# Altium PCB Valdis.PcbDoc (continued)
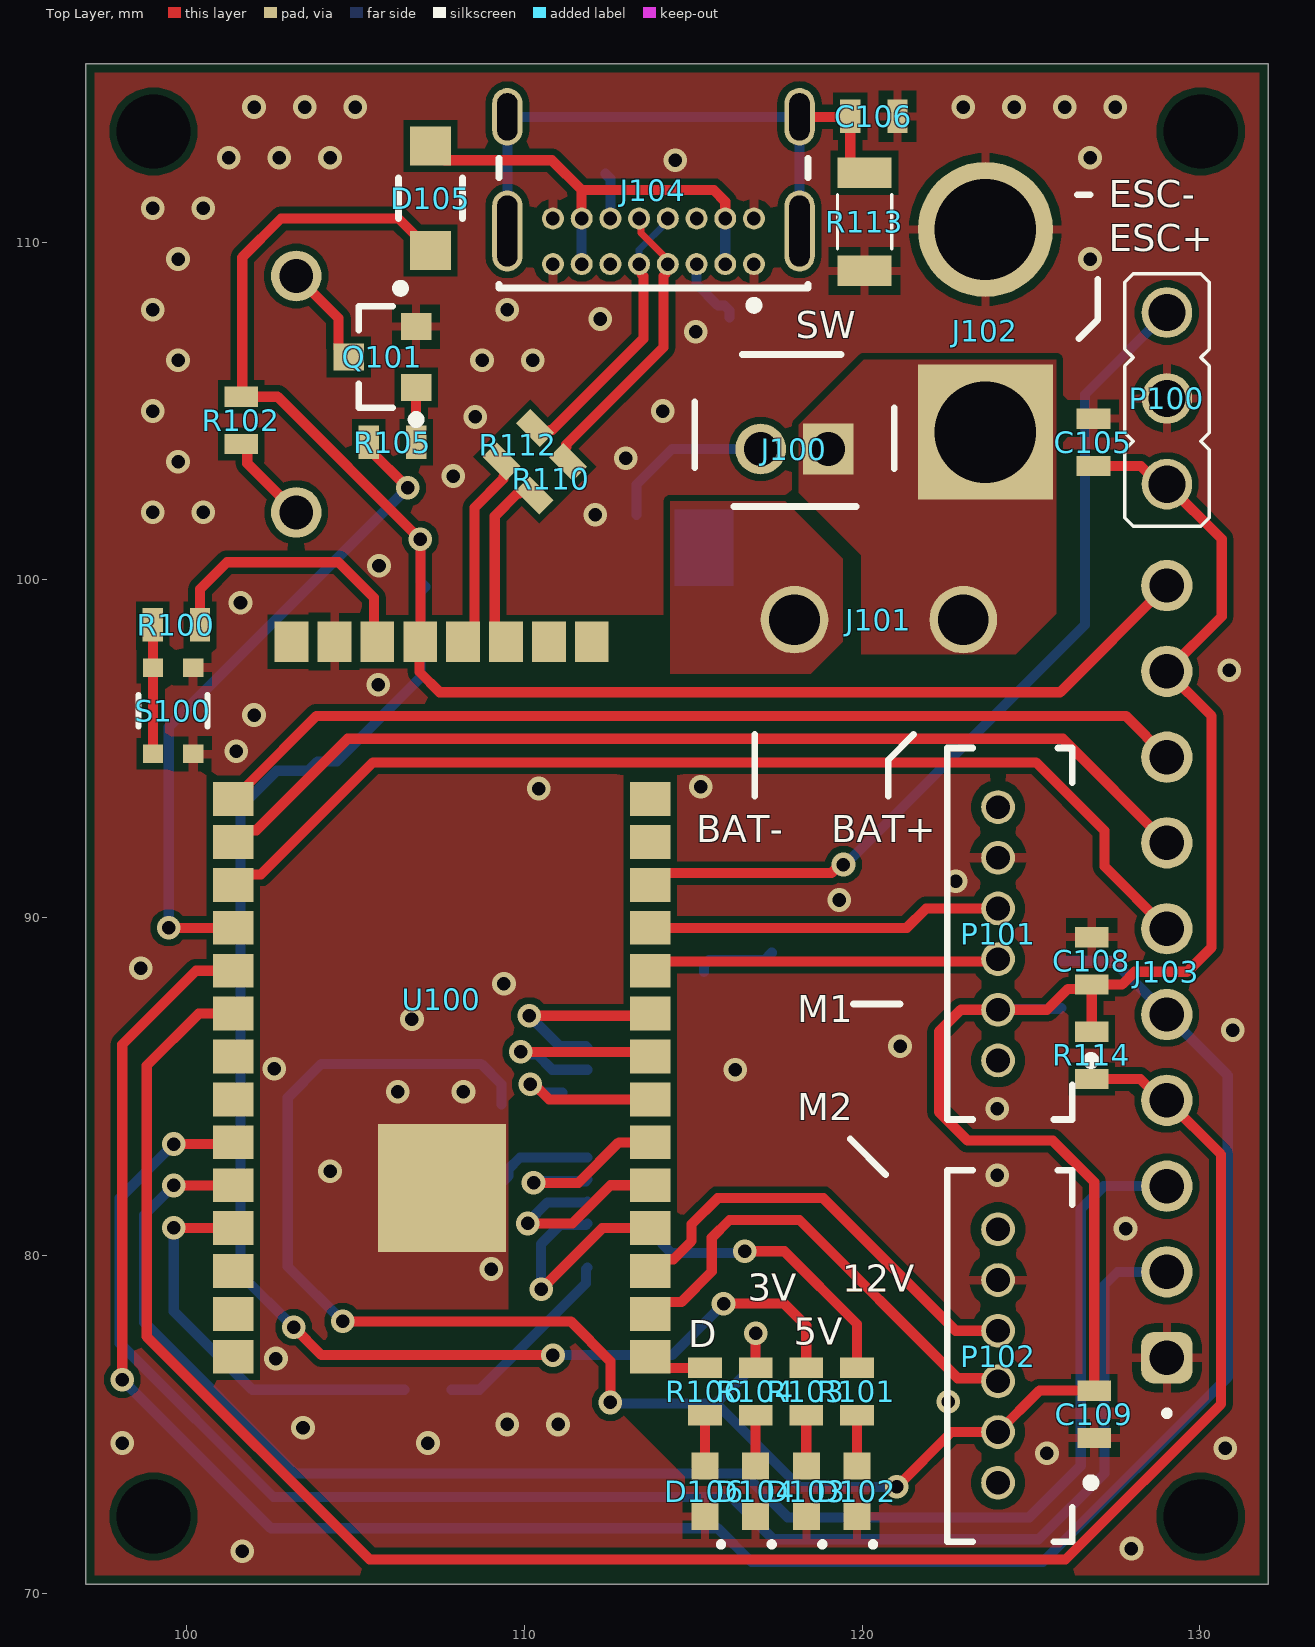
[diagram p0: Top Layer view]
## Components (designator, comment, footprint, x,y, rotation, side; value= is the part's Value field where it differs from the comment)
C100 "22u" MLCC_0603_M 108.75,94.7 r180 bottom value=22µF
C101 "22u" MLCC_0603_M 108.75,93.3 r180 bottom value=22µF
C102 "4.7u" MLCC_0805_M 107.925,99.8 r180 bottom value=4,7µF
C103 "100n" MLCC_0603_M 107.625,98.175 r180 bottom value=100nF
C104 "4.7u" MLCC_1206_M 112,92.1 r270 bottom value=4,7µF
C105 "100n" MLCC_0603_M 126.85,104.075 r90 top value=100nF
C106 "1n" MLCC_0603_M 120.35,113.725 r0 top value=1nF
C107 "100n" MLCC_0603_M 114.625,88.4 r0 bottom value=100nF
C108 "100n" MLCC_0603_M 126.8,88.725 r270 top value=100nF
C109 "100n" MLCC_0603_M 126.875,75.3 r90 top value=100nF
C110 "T495B106K025ATE750" 593D106X9025C2TE3-Footprint-1 117.325,90.525 r90 bottom value=10µF
C111 "100n" MLCC_0603_M 109.175,82.9 r270 bottom value=100nF
C112 "T495B106K025ATE750" 593D106X9025C2TE3-Footprint-1 107,81.44 r90 bottom value=10µF
D100 "MBR1020VL_R1_00001" FP-MBR1020VL_R1_00001-MFG 105.15,94.35 r0 bottom
D101 "VSSAF3M10HM3/H" VSSAF3M10HM3_H-Footprint-1 106.125,87.05 r0 bottom
D102 "Red" "0603 RED LED" 119.85,73.025 r270 top
D103 "Red" "0603 RED LED" 118.35,73.025 r270 top
D104 "Red" "0603 RED LED" 116.85,73.025 r270 top
D105 "MBR1020VL_R1_00001" FP-MBR1020VL_R1_00001-MFG 107.225,111.3 r90 top
D106 "Red" "0603 RED LED" 115.35,73.025 r270 top
J100 "B2B-PH-K-S(LF)(SN)" JST-B2B-PH-K-S_V 118,104.425 r180 top
J101 "XT30U-F" XT30U-F 120.5,98.825 r270 top
J102 "CUSTOM ESC" "CUSTOM ESC-Footprint-1" 123.65,107.375 r180 top
J103 "61301011121" 61301011121 129.025,88.155 r90 top
J104 "USB4085-GF-A" FP-USB4085-GF-A-MFG 113.825,113.375 r180 top
L100 "74404043220A" WE-LQS_4025 105.05,90.675 r90 bottom value=22µH
LS100 "Buzzer" Buzzer-Footprint-1 103.25,105.5 r180 bottom
P100 "M20-9990345" "3Pos Pin Header" 129.025,105.395 r90 top
P101 "B6B-ZR(LF)(SN)" FP-B6B-ZR-SM4-TF_LF_SN-MFG 124.025,89.525 r90 top
P102 "B6B-ZR(LF)(SN)" FP-B6B-ZR-SM4-TF_LF_SN-MFG 124.025,77.025 r90 top
Q100 "SIS427EDN-T1-GE3" "Copy of TPN2R304PL,L1Q-Footprint-1" 114.75,100.95 r90 bottom
Q101 "MMBT3904-TP" SOT-23-3 105.8,106.6 r180 top
R100 "100R" Resistor_0603_M 99.7,98.675 r0 top value=100
R101 "680R" Resistor_0603_M 119.85,75.975 r90 top value=680
R102 "22R" Resistor_0603_M 101.625,104.725 r270 top value=22
R103 "200R" Resistor_0603_M 118.35,75.975 r270 top value=200
R104 "100R" Resistor_0603_M 116.85,75.975 r270 top value=100
R105 "100R" Resistor_0603_M 106.1,104.075 r0 top value=100
R106 "200R" Resistor_0603_M 115.35,75.975 r270 top value=200
R107 "5.1k" Resistor_0603_M 116.777,107.777 r0 bottom value=5,1k
R108 "1k" Resistor_0603_M 107.15,76.025 r0 bottom
R109 "5.1k" Resistor_0603_M 111.7,112.025 r0 bottom value=5,1k
R110 "22R" Resistor_0603_M 110.8,103 r225 top value=22
R111 "200R" Resistor_0603_M 105.225,75.325 r90 bottom value=220
R112 "22R" Resistor_0603_M 109.825,104 r225 top value=22
R113 "1M" Resistor_1206_M 120.075,110.6 r270 top
R114 "4.7k" Resistor_0603_M 126.8,85.925 r90 top value=4,7k
R115 "4.7k" Resistor_0603_M 125.9,88.025 r270 bottom value=4,7k
S100 "USLPT2819DT4TR" USLPT2819DT4TR-Footprint-1 99.6,96.125 r270 top
U100 "NanoS3" NanoS3 108.19,94.365 r270 top
U101 "TB6612FNG,C,8,EL" FP-SSOP24-P-300-0_65A-MFG 115.275,83.225 r180 bottom
U102 "RAA2118054GP3#JA0" P5_064B_MFG 109.25,90.65 r270 bottom

## Footprints (in the part's own frame and the unit in brackets; to place one, negate y for a bottom-side part, rotate by r counter-clockwise, add the part's x,y. Pads: shape width x height; smd on the part's side, far side on the other; paste and mask are expansions set on the pad)
"3Pos Pin Header" [mm]
  round 1.5 hole 1.1: 1(-2.56,0) 2(-0.02,0) 3(2.52,0)
  silkscreen extent -3.81,-1.25 3.67,1.25, body extent -3.89,-1.24 3.73,1.25, height 8.57
593D106X9025C2TE3-Footprint-1 [mm]
  rect 2.2x2.35 smd: 1(-1.56,0) 2(1.56,0)
  silkscreen extent -1.64,1.61 -1.41,1.84, body extent -1.85,-1.5 1.85,1.5, height 2.1
"0603 RED LED" [mm] "Generic 0603 RED LED"
  rect 0.8x0.8 smd: 1(0.75,0) 2(-0.75,0)
  silkscreen extent 1.55,0.45 1.6,0.5, body extent -0.8,-0.4 0.8,0.4, height 0.4
61301011121 [mm] "2.54 MM SOCKET HEADER; 10 POS"
  rrect50% 1.52x1.52 hole 1.02: 1(-11.18,0)
  round 1.52 hole 1.02: 2(-8.64,0) 3(-6.1,0) 4(-3.56,0) 5(-1.02,0) 6(1.52,0) 7(4.06,0) 8(6.6,0) 9(9.14,0) 10(11.68,0)
  silkscreen extent -12.9,-0.07 -12.75,0.07, body extent -12.45,-1.27 12.95,1.27, height 8.54
Buzzer-Footprint-1 [mm]
  round 1.5 hole 1 unplated: 1(0,-3.5) 2(0,3.5)
  silkscreen extent -1.5,-5 1.5,-2, body extent -5.93,-5.99 6.06,6, height 9
"Copy of TPN2R304PL,L1Q-Footprint-1" [mm]
  rect 0.405x0.99 smd: 1(-0.975,-1.425) 2(-0.325,-1.425) 3(0.325,-1.425) 4(0.975,-1.425)
  rect 0.405x0.76 smd: 5(-0.975,1.545) 6(-0.325,1.545) 7(0.325,1.545) 8(0.975,1.545)
  Top Layer region: 1.125,-0.288 1.125,1.437 -1.125,1.437 -1.125,-0.288
  silkscreen extent -1.63,-1.38 -1.52,-1.27, body extent -1.65,-1.65 1.65,1.65, height 1.12
"CUSTOM ESC-Footprint-1" [mm]
  rect 4x4 hole 3 unplated: 1(0,3)
  round 4 hole 3 unplated: 2(0,-3)
FP-B6B-ZR-SM4-TF_LF_SN-MFG [mm]
  round 1 hole 0.7 paste-2539.97 mask+0: 1(-3.75,0) 2(-2.25,0) 3(-0.75,0) 4(0.75,0) 5(2.25,0) 6(3.75,0)
  silkscreen extent -5.5,-2.88 5.5,1.5, body extent -5.25,-2.1 5.25,1.4, height 4.5
FP-MBR1020VL_R1_00001-MFG [mm]
  rect 1.15x1.22 smd paste+0 mask+0: 1(-1.55,0) 2(1.55,0)
  silkscreen extent -3.02,-1 0.6,-0.75, body extent -1.8,-0.9 1.8,0.9, height 1.1
FP-SSOP24-P-300-0_65A-MFG [mm]
  rect 1.45x0.4 smd paste+0 mask+0: 1(-3.4,3.575) 2(-3.4,2.925) 3(-3.4,2.275) 4(-3.4,1.625) 5(-3.4,0.975) 6(-3.4,0.325) 7(-3.4,-0.325) 8(-3.4,-0.975) 9(-3.4,-1.625) 10(-3.4,-2.275) 11(-3.4,-2.925) 12(-3.4,-3.575) 13(3.4,-3.575) 14(3.4,-2.925) 15(3.4,-2.275) 16(3.4,-1.625) 17(3.4,-0.975) 18(3.4,-0.325) 19(3.4,0.325) 20(3.4,0.975) 21(3.4,1.625) 22(3.4,2.275) 23(3.4,2.925) 24(3.4,3.575)
  silkscreen extent -4.85,-4.15 2.3,4.15, body extent -3.8,-4.03 3.8,4.03, height 1.6
FP-USB4085-GF-A-MFG [mm]
  rrect100% 0.9x2.4 hole 2.1 slot 0.6 at 0 deg paste-2539.97 mask+0: 1(-4.325,3.045) 2(4.325,3.045)
  rrect100% 0.9x1.7 hole 1.4 slot 0.6 at 0 deg paste-2539.97 mask+0: 3(-4.325,-0.335) 4(4.325,-0.335)
  round 0.65 hole 0.4 paste-2539.97 mask+0: A1(-2.975,4.025) A4(-2.125,4.025) A5(-1.275,4.025) A6(-0.425,4.025) A7(0.425,4.025) A8(1.275,4.025) A9(2.125,4.025) A12(2.975,4.025) B1(2.975,2.675) B4(2.125,2.675) B5(1.275,2.675) B6(0.425,2.675) B7(-0.425,2.675) B8(-1.275,2.675) B9(-2.125,2.675) B12(-2.975,2.675)
  silkscreen extent -4.57,0.89 4.57,5.37, body extent -4.51,-4.6 4.51,4.57, height 3.46
JST-B2B-PH-K-S_V [mm] "Connector, 2-Leads, Body 5.9x4.5mm, Pitch 2mm"
  rect 1.5x1.5 hole 1: 1(-1,0.55)
  round 1.5 hole 1: 2(1,0.55)
  silkscreen extent -2.95,-2.25 2.95,2.25, body extent -2.95,-2.25 2.95,2.25, height 6
MLCC_0603_M [mm]
  rect 0.6x1 smd: 1(-0.7,0) 2(0.7,0)
  body extent -0.8,-0.4 0.8,0.4, height 0.92
MLCC_0805_M [mm] "Chip Capacitor, 2-Leads, Body 2,00x1,25mm, IPC Medium Density"
  rect 1.2x1.4 smd: 1(-0.85,0) 2(0.85,0)
  body extent -1.05,-0.67 1.05,0.67, height 1.35
MLCC_1206_M [mm]
  rect 1.15x1.8 smd: 1(-1.45,0) 2(1.45,0)
  silkscreen extent -0.55,-0.75 0.55,0.75, body extent -1.7,-0.9 1.7,0.9, height 0.75
NanoS3 [mm]
  rect 1.2x1 smd: 1(-3.81,-5.08) 2(-3.81,-3.81) 3(-3.81,-2.54) 4(-3.81,-1.27) 5(-3.81,0) 6(-3.81,1.27) 7(-3.81,2.54) 8(-3.81,3.81)
  rect 1x1.2 smd: 9(0.854,5.535) 10(2.124,5.535) 11(3.394,5.535) 12(4.664,5.535) 13(5.934,5.535) 14(7.204,5.535) 15(8.474,5.535) 16(9.744,5.535) 17(11.014,5.535) 18(12.284,5.535) 19(13.554,5.535) 20(14.824,5.535) 21(16.094,5.535) 22(17.364,5.535) 23(0.854,-6.805) 24(2.124,-6.805) 25(3.394,-6.805) 26(4.664,-6.805) 27(5.934,-6.805) 28(7.204,-6.805) 29(8.474,-6.805) 30(9.744,-6.805) 31(11.014,-6.805) 32(12.284,-6.805) 33(13.554,-6.805) 34(14.824,-6.805) 35(16.094,-6.805) 36(17.364,-6.805)
  rect 3.8x3.8 smd: 37(12.364,-0.625)
  body extent -3.97,-7.15 24.12,5.85, height 2.38
P5_064B_MFG [mm] "Recommended Land Pattern"
  rect 1.2x0.6 smd paste+0 mask+0: 1(-1.2,0.95) 2(-1.2,0) 3(-1.2,-0.95) 4(1.2,-0.95) 5(1.2,0.95)
  silkscreen extent -1.74,-1.58 0.92,1.64, body extent -1.4,-1.45 1.4,1.45, height 1.1
Resistor_0603_M [mm]
  rect 0.6x1 smd: 1(-0.7,0) 2(0.7,0)
  body extent -0.8,-0.4 0.8,0.4, height 0.45
Resistor_1206_M [mm]
  rect 0.9x1.6 smd: 1(-1.45,0) 2(1.45,0)
  silkscreen extent -0.8,-0.8 0.8,0.8, body extent -1.6,-0.83 1.6,0.83, height 0.56
SOT-23-3 [mm] "Based on DMG2305UX-13"
  rect 0.9x0.8 smd: 1(-1,0.9) 2(-1,-0.9) 3(1,0)
  silkscreen extent -1.13,-1.5 0.7,1.97, body extent -1.25,-1.5 1.25,1.5, height 1.1
USLPT2819DT4TR-Footprint-1 [mm]
  rect 0.55x0.6 smd: 1(-1.275,0.6) 2(1.275,0.6) 3(-1.275,-0.59) 4(1.275,-0.59)
  silkscreen extent -0.46,-1.02 0.46,1.03, body extent -1.5,-0.94 1.5,0.96, height 0.53
VSSAF3M10HM3_H-Footprint-1 [mm]
  rect 1.2x1.52 smd: 1(-2.16,0) 2(2.16,0)
  silkscreen extent -2.29,1.43 0.58,1.76, body extent -2.59,-1.29 2.61,1.31, height 1
WE-LQS_4025 [mm] "SMD Power Inductor, 2-Leads, body 4x4mm"
  rect 1.5x4.4 smd: 1(-1.525,0) 2(1.525,0)
  silkscreen extent -0.4,-2.1 0.4,2.1, body extent -2,-2 2,2, height 2.15
XT30U-F [mm]
  round 2 hole 1.5: 1(0,2.5) 2(0,-2.5)
  body extent -2.8,-5.44 2.82,5.43, height 9.67

## Part data
C100 C101: library part CMP-001-1264-1, "MLCC, 0603, 22u, 10%, 16V, X5R", Capacitor Type=Ceramic, Case/Package=0603, Dielectric=X5R, Manufacturer=Any, Tolerance=10%, Voltage=16V, Mount=SMD, Part number="MLCC, 0603, 22u, 10%, 16V, X5R", RoHS=Yes
C102: library part CMP-001-0828-2, "MLCC, 0805, 4.7u, 10%, 50V, X5R", Capacitor Type=Ceramic, Case/Package=0805, Dielectric=X5R, Manufacturer=Any, Tolerance=10%, Voltage=50V, Mount=SMD, Part number="MLCC, 0805, 4.7u, 10%, 50V, X5R", RoHS=Yes
C103 C108 C109: library part CMP-001-0755-1, "MLCC, 0603, 100n, 10%, 35V, X7R", Capacitor Type=Ceramic, Case/Package=0603, Dielectric=X7R, Manufacturer=Any, Tolerance=10%, Voltage=35V, Mount=SMD, Part number="MLCC, 0603, 100n, 10%, 35V, X7R", RoHS=Yes
C104: library part CMP-001-1124-2, "MLCC, 1206, 4.7u, 10%, 35V, X5R", Capacitor Type=Ceramic, Case/Package=1206, Dielectric=X5R, Manufacturer=Any, Tolerance=10%, Voltage=35V, Mount=SMD, Part number="MLCC, 1206, 4.7u, 10%, 35V, X5R", RoHS=Yes
C105 C107 C111: library part CMP-001-0815-1, "MLCC, 0603, 100n, 10%, 50V, X7R", Capacitor Type=Ceramic, Case/Package=0603, Dielectric=X7R, Manufacturer=Any, Tolerance=10%, Voltage=50V, Mount=SMD, Part number="MLCC, 0603, 100n, 10%, 50V, X7R", RoHS=Yes
C106: library part CMP-001-0786-1, "MLCC, 0603, 1n, 10%, 50V, X7R", Capacitor Type=Ceramic, Case/Package=0603, Dielectric=X7R, Manufacturer=Any, Tolerance=10%, Voltage=50V, Mount=SMD, Part number="MLCC, 0603, 1n, 10%, 50V, X7R", RoHS=Yes
C110 C112: library part CMP-0001-00298-2, "10UF Solid MNO2 Tantalum Electrolytic Capacitor, 25 V DC +/-10%, T495 Series", Capacitor Type=Tantalum, Case Code (Imperial)=1411, Case Code (Metric)=3528, Case/Package=B, ESR (Equivalent Series Resistance)=750mΩ, Leakage Current=2.5µA, Manufacturer=Any, Max Operating Temperature=125°C, Min Operating Temperature=-55°C, Ripple Current=54mA, Tolerance=10%, Voltage=25V, China RoHS=Compliant, Dielectric=Tantalum, Dielectric Material=Tantalum, Export Control Classification Number (ECCN) Code=EAR99, Harmonized Tariff Schedule (HTS) Code=8532.21.00.50, Height=1.9mm, Introduction Date=2007-02-01, Length=3.5mm, Lifecycle Status=Production, Mount=SMD, Mounting Technology="Surface Mount", Number of Terminals=2, Packaging="Cut Tape", Part number=T495B106K025ATE750, Pins=2, REACH SVHC=Yes, RoHS=Compliant, Termination=SMD/SMT, Voltage Rating=25V, Voltage Rating (DC)=25V, Width=2.8mm
D100 D105: library part CMP-ROOT-01310-1, "Rectifier Diode, Schottky, 1 Phase, 1 Element, 1A, 20V V(RRM), Silicon", Case/Package=SOD-123FL, Forward Current=1A, Manufacturer=Panjit, Max Forward Surge Current (Ifsm)=45A, Max Junction Temperature (Tj)=125°C, Max Repetitive Reverse Voltage (Vrrm)=20V, Min Operating Temperature=-55°C, Peak Reverse Current=600µA, Height=1.1mm, Lifecycle Status=Production, Max Operating Temperature=125°C, Max Output Current=1A, Mount=SMD, Number of Elements=1, Number of Terminals=2, Part number=MBR1020VL_R1_00001, Pins=2, REACH SVHC=No, Reverse Standoff Voltage=20V, RoHS=Compliant
D101: library part CMP-ROOT-01308-1, "Rectifier Diode, Schottky, 1 Phase, 1 Element, 2.3A, 100V V(RRM), Silicon, DO-221AC", Case/Package=DO-221AC-2, Forward Voltage=720mV, Max Forward Surge Current (Ifsm)=80A, Max Operating Temperature=175°C, Max Output Current=2.3A, Min Operating Temperature=-40°C, Peak Reverse Current=200µA, Reverse Standoff Voltage=100V, Lifecycle Status=Production, Manufacturer=VSSAF3M10HM3/H, Mount=SMD, Number of Elements=1, Number of Terminals=2, Part number=VSSAF3M10HM3/H, Pins=2, REACH SVHC=No, RoHS=Compliant
D102 D103 D104 D106: library part CMP-ROOT-00025-2, "Generic red 0603 LED", Case/Package=0603, Manufacturer=Any, Part number="Any Red 0603 LED", Color=Red, Mount=SMD, RoHS=Yes
J100: library part CMP-ROOT-01319-1, "Connector Header, PH Series, 2 Position, 2.00mm, Through Hole, Press-Fit, Solder, Natural", Contact Resistance=20mΩ, Current Rating=2A, Housing Color=Natural, Insulation Resistance=1GΩ, Manufacturer="JST Sales America Inc.", Max Operating Temperature=85°C, Max Voltage Rating (AC)=100V, Min Operating Temperature=-25°C, Part number=B2B-PH-K-S, China RoHS=Compliant, Connector Type="Male Pin", Contact Gender=Male, Contact Material=Brass, Contact Mating Length=3.302mm, Contact Plating=Tin, Depth=4.5mm, Fastening Type=Detent, Gender=Female, Height=6mm, Housing Material=Nylon, Lead Free="Lead Free", Lead Pitch=2mm, Length=5.9mm, Lifecycle Status=Production, Max Current Rating=2A, Max Voltage Rating (DC)=100V, Mount=TH, Mounting Technology="Through Hole", Number of Contacts=2, Number of Poles=2, Number of Positions=2, Number of Rows=1, Orientation=Straight, Packaging=Bulk, Pins=2, Pitch=2mm, REACH SVHC=Yes, RoHS=Compliant, Schedule B=8536694040, Terminal Pitch=2mm, Termination=Solder, Voltage Rating=100V, Voltage Rating (AC)=100V, Voltage Rating (DC)=100V, Weight=28.349523g, Width=4.5mm, Working Voltage=100V
J101: library part CMP-ROOT-01262-2, "Power Connector", Case/Package=Non-standard, Color=Yellow, Manufacturer=AMASS, Contact Material=Brass, Mount=SMD, Orientation=Straight, Part number=XT30U-F, Pins=2, RoHS=Yes
J102: library part CMP-ROOT-01320-2, "Custom ESC pinout", Manufacturer=None, Mount=SMD, Part number=None, Pins=2, RoHS=Yes
J103: library part CMP-ROOT-01212-1, "THT Vertical Pin Header WR-PHD, Pitch 2.54 mm, Single Row, 10 pins", Color=Black, Contact Resistance=20mR, Current Rating=3A, Flammability Rating="UL94 V-0", Insulation Resistance=1GR, Manufacturer="Würth Elektronik", Max Operating Temperature=105°C, Min Operating Temperature=-40°C, Operating Supply Voltage=250V, Connector Type=Header, Contact Finish - Mating=GOLD, Contact Gender=Male, Contact Material="Copper Alloy,Copper", Contact Plating=Gold, Contact Shape=Square, Contact Type="Male Pin", Fastening Type=Pull, Height=11.54mm, Housing Material=PBT, Insulation Color=Black, Insulation Material=Nylon, Length=2.54mm, Mount=TH, Mounting Technology="Through Hole", Number of Contacts=10, Number of Positions=10, Number of Rows=1, Orientation=Straight, Packaging=Bulk, Part number=61301011121, Pitch=2.54mm, Reach SVHC Compliant=Unknown, RoHS=Yes, RoHS Compliant=Yes, Series=WR-PHD, Termination=Solder, Voltage Rating=250V, Width=25.4mm
J104: library part CMP-001-1800-1, "USB Connector, 16 Contact(s), Female, Right Angle, Solder Terminal, Locking, Receptacle", Current Rating=4.25A, Flammability Rating="UL94 V-0", Insulation Color=Black, Manufacturer=GCT, Max Operating Temperature=85°C, Min Operating Temperature=-40°C, Part number=USB4800-03-A, Voltage Rating=20V, Connector Type=USB, Contact Material="Copper Alloy", Contact Plating=Gold, Gender=Receptacle, Height=3.66mm, Mating Cycles=10000, Mount=TH, Mounting Technology="Through Hole,Horizontal", Number of Contacts=16, Number of Ports=1, Number of Positions=16, Orientation="Right Angle", Packaging="Tape and Reel", Pins=16, RoHS=Yes, Series=USB4085, Shielding=Shielded, Standoff Height=3.5mm, Termination=Solder, USB PD=3.2, USB Standard="USB 2.0"
L100: library part CMP-ROOT-01309-1, "General Purpose Inductor, 22uH, 20%, 1 Element, Nickel-zinc Ferrite-Core, SMD, 1616", Ambient Temperature Range High=85°C, Ambient Temperature Range Low=-40°C, Case/Package="4mm x 4mm", Current Rating=1.11A, DC Resistance (DCR)=200mΩ, Inductance Tolerance=20%, Manufacturer="Wurth Elektronik", Max Operating Temperature=125°C, Height=2.5mm, Length=4mm, Min Operating Temperature=-40°C, Mount=SMD, Part number=74404043220A, Pins=2, RoHS=Compliant, Width=4mm
LS100: library part CMP-ROOT-01315-2, "7mm", Case/Package=Nonstandard, Manufacturer=Unknown, Mount=TH, Part number=Unknown, Pins=2, RoHS=Yes
P100: library part CMP-ROOT-00217-1, "Connector Header Through Hole 3 position 0.100\" (2.54mm)", Case/Package=SIL, Color=Black, Contact Resistance=25mR, Current Rating=3A, Insulation Resistance=10GR, Manufacturer="Harwin Inc.", Max Operating Temperature=105°C, Min Operating Temperature=-40°C, Package Quantity=1000, Voltage Rating (AC)=750V, Connector Type="Male Pin", Contact Material=Brass,Bronze, Contact Mating Length=0.24inch, Contact Plating=Gold, Depth=2.54mm, Height=0.125inch, Housing Color=Black, Housing Material=Nylon, Length=7.62mm, Max Current Rating=3A, Mount="Through Hole", Number of Contacts=3, Number of Positions=3, Number of Rows=1, Orientation=Straight, Packaging=Bulk, Part number=M20-9990345, Pins=3, Pitch=2.54mm, Radiation Hardening=No, REACH SVHC="No SVHC", RoHS=Yes, Termination=Solder, Weight=0.006138oz, Width=0.25inch
P101 P102: library part CMP-ROOT-01270-3, "Header for PCB; pitch 1.50mm; 6-contacts; THT; male; top entry; 50V/1A", Color="Natural, White", Contact Resistance=30mΩ, Current Rating=1A, Flammability Rating="UL94 V-0", Insulation Resistance=500MΩ, Manufacturer="JST Sales America Inc.", Max Operating Temperature=85°C, Max Voltage Rating (AC)=50V, Min Operating Temperature=-25°C, Part number=B6B-ZR, Body Plating=Tin, China RoHS=Compliant, Connector Type="Male Pin", Contact Gender=Male, Contact Material="Copper, Tin", Contact Mating Length=2.3876mm, Contact Plating=Tin, Depth=3.5mm, Fastening Type=Detent, Gender=Male, Height=4.5mm, Housing Material=Polyamide, Lead Free="Lead Free", Lead Pitch=1.5mm, Length=3.048mm, Lifecycle Status=Production, Material=Nylon, Max Current Rating=1A, Mount=TH, Mounting Technology="Through Hole", Number of Contacts=6, Number of Positions=6, Number of Rows=1, Orientation=Straight, Packaging=Bulk, Panel Thickness=3.5mm, Pins=6, Pitch=1.5mm, REACH SVHC=Yes, RoHS=Compliant, Terminal Pitch=1.5mm, Termination=Solder, Voltage Rating=50V, Voltage Rating (AC)=50V, Voltage Rating (DC)=50V, Weight=28.349523g, Width=5.08mm
Q100: library part CMP-ROOT-01317-1, "Trans MOSFET P-CH 30V 15A 8-Pin PowerPAK EP T/R", Case/Package="PowerPAK® 1212-8", Continuous Drain Current (ID)=50A, Drain to Source Breakdown Voltage=-30V, Drain to Source Resistance=10.6mΩ, Drain to Source Voltage (Vdss)=30V, Gate to Source Voltage (Vgs)=25V, Input Capacitance=1.93nF, Manufacturer="Vishay Siliconix", Max Operating Temperature=150°C, Max Power Dissipation=52W, Min Operating Temperature=-55°C, Element Configuration=Single, Export Control Classification Number (ECCN) Code=EAR99, Fall Time=12ns, Introduction Date=2013-06-25, Lifecycle Status=Production, Min Breakdown Voltage=30V, Mount=SMD, Mounting Technology="Surface Mount", Number of Channels=1, Number of Elements=1, Number of Terminals=5, Part number=SIS427EDN-T1-GE3, Pins=8, Radiation Hardening=No, Rds On Max=10.6mΩ, REACH SVHC=Unknown, Rise Time=40ns, RoHS=Compliant, Schedule B=8541290080, Turn-Off Delay Time=28ns, Turn-On Delay Time=45ns
Q101: library part CMP-ROOT-00274-1, "TRANS NPN 40V 0.2A SOT23", Case/Package=SOT-23, Collector Base Voltage (VCBO)=60V, Collector Emitter Breakdown Voltage=40V, Collector Emitter Saturation Voltage=300mV, Current Rating=100mA, Emitter Base Voltage (VEBO)=6V, Frequency=300MHz, Manufacturer="Micro Commercial Co", Max Collector Current=200mA, Max Operating Temperature=150°C, Max Power Dissipation=350mW, Min Operating Temperature=-55°C, Package Quantity=1, Collector Emitter Voltage (VCEO)=40V, Element Configuration=Single, Gain Bandwidth Product=300MHz, Height=1.12mm, hFE Min=40, Lead Free="Lead Free", Length=3.04mm, Max Breakdown Voltage=40V, Max Frequency=300MHz, Mount="Surface Mount", Number of Elements=1, Number of Pins=3, Packaging="Tape and Reel", Part number=MMBT3904-TP, Polarity=NPN, Power Dissipation=350mW, Radiation Hardening=No, RoHS=Yes, Transition Frequency=300MHz, Voltage Rating (DC)=40V, Width=1.4mm
R100 R105: library part CMP-001-0054-5, "Resistor, 0603, 100R, 1%, 1/10W", Case/Package=0603, Manufacturer=Any, Power=100mW, Tolerance=1%, Mount=SMD, Part number="Resistor, 0603, 100R, 1%, 1/10W", RoHS=Yes
R101: library part CMP-001-0074-3, "Resistor, 0603, 680R, 1%, 1/10W", Case/Package=0603, Manufacturer=Any, Power=100mW, Tolerance=1%, Mount=SMD, Part number="Resistor, 0603, 680R, 1%, 1/10W", RoHS=Yes
R102 R110 R112: library part CMP-001-0038-3, "Resistor, 0603, 22R, 1%, 1/10W", Case/Package=0603, Manufacturer=Any, Power=100mW, Tolerance=1%, Mount=SMD, Part number="Resistor, 0603, 22R, 1%, 1/10W", RoHS=Yes
R103 R106: library part CMP-001-0060-2, "Resistor, 0603, 200R, 1%, 1/10W", Case/Package=0603, Manufacturer=Any, Power=100mW, Tolerance=1%, Mount=SMD, Part number="Resistor, 0603, 200R, 1%, 1/10W", RoHS=Yes
R104: library part CMP-0001-00262-1, "Resistor, 0603, 100R, ≤5%, ≥1/16W", Case/Package=0603, Manufacturer=Any, Mount=SMD, Part number="Resistor, 0603, 100R, ≤5%, ≥1/16W", RoHS=Yes
R107 R109: library part CMP-001-0094-2, "Resistor, 0603, 5.1k, 1%, 1/10W", Case/Package=0603, Manufacturer=Any, Power=100mW, Tolerance=1%, Mount=SMD, Part number="Resistor, 0603, 5.1k, 1%, 1/10W", RoHS=Yes
R108: library part CMP-0001-00237-1, "Resistor, 0603, 1k, 0.1%, 1/16W", Case/Package=0603, Manufacturer=Any, Mount=SMD, Part number=Any, RoHS=Yes
R111: library part CMP-001-0061-2, "Resistor, 0603, 220R, 1%, 1/10W", Case/Package=0603, Manufacturer=Any, Power=100mW, Tolerance=1%, Mount=SMD, Part number="Resistor, 0603, 220R, 1%, 1/10W", RoHS=Yes
R113: library part CMP-0001-00051-1, "Resistor, 1206, 1M, 1%, 1/4W", Case/Package=1206, Manufacturer=Any, Mount=SMD, Part number=Any, RoHS=Yes
R114 R115: library part CMP-001-0093-2, "Resistor, 0603, 4.7k, 1%, 1/10W", Case/Package=0603, Manufacturer=Any, Power=100mW, Tolerance=1%, Mount=SMD, Part number="Resistor, 0603, 4.7k, 1%, 1/10W", RoHS=Yes
S100: library part CMP-ROOT-01290-3, "Keypad Switch, SPST, 0.05A, 1.96N, Solder Terminal, Panel Mount", Case/Package=Non-standard, Color=Black, Contact Current Rating=50mA, Manufacturer="TE Connectivity ALCOSWITCH Switches", Max Operating Temperature=85°C, Min Operating Temperature=-40°C, Operating Force=1.96N, China RoHS=Compliant, Contact Material="Stainless Steel", Contact Plating=Silver, Housing Material=Polyethylene, Lifecycle Status=Production, Max Current Rating=50mA, Mount=SMD, Packaging="Tape & Reel", Part number=USLPT2819DT4TR, REACH SVHC=Yes, RoHS=Compliant, Throw Configuration=SPST
U100: library part CMP-00023-1, "Unexpected Maker's NanoS3 DevKit", Case/Package=DevKit, Manufacturer="Unexpected Maker", Mount=SMD, Part number=NanoS3, RoHS=Yes
U101: library part CMP-00025-1, "DC Motor Driver 2.7V to 5.5V 24-Pin SSOP Embossed T/R", Case/Package=LSSOP, Manufacturer=Toshiba, Manufacturer Package Identifier=SSOP24-P-300-0.65A, Max Operating Temperature=85°C, Max Output Current=1A, Max Power Dissipation=1.36W, Max Supply Current=2.2mA, Max Supply Voltage=5.5V, Min Operating Temperature=-20°C, Min Supply Voltage=2.7V, Operating Supply Voltage=3V, Output Voltage=15V, Part number=TBG6612FNG, Switching Frequency=100kHz, Export Control Classification Number (ECCN) Code=EAR99, Harmonized Tariff Schedule (HTS) Code=8542.39.00.60, Height=1.6mm, Height - Seated (Max)=1.6mm, Interface=Parallel, Introduction Date=2014-12-16, Length=7.8mm, Lifecycle Status=Production, Logic Function=AND, Motor Type=Brushed, Mount=SMD, Mounting Technology="Surface Mount", Number of Channels=2, Number of Circuits=2, Number of Outputs=2, Number of Terminals=24, Output Current=1A, Packaging="Cut Tape (CT)", Pins=24, REACH SVHC=Yes, RoHS=Compliant, Schedule B="8542390000, 8542390000", Terminal Pitch=650µm, Width=5.6mm
U102: library part CMP-00019-3, "Switching Regulator, Current-mode, 0.3A, 230kHz Switching Freq-Max, PDSO5", Case/Package=TSOT, Manufacturer="Renesas / Intersil", Manufacturer Lifecycle Status=ACTIVE, Max Junction Temperature (Tj)=125°C, Max Output Current=300mA, Max Output Voltage=5.15V, Max Supply Voltage=80V, Max Switching Frequency=230kHz, Min Input Voltage=7V, Min Operating Temperature=-40°C, Min Output Voltage=3.18V, Nominal Output Voltage=5V, Nominal Supply Voltage=18V, Package Quantity=3000, Export Control Classification Number (ECCN) Code=EAR99, Harmonized Tariff Schedule (HTS) Code=8540000000, Height=850µm, Height - Seated (Max)=1.1mm, Length=2.9mm, Lifecycle Status=Production, Max Operating Temperature=125°C, Mount=SMD, Mounting Technology="Surface Mount", MSL=3, Number of Circuits=1, Number of Terminals=5, Part Family=RAA211805, Part number=RAA2118054GP3#JA0, Pins=5, Pitch=1mm, REACH SVHC=Yes, RoHS=Compliant, Terminal Pitch=950µm, Topology=Buck, Width=1.6mm

## Free pads (board coordinates)
  rect 0x0 hole 2.2 unplated: 0(130.025,113.275) 1(99.025,72.275) 2(130.025,72.275) 3(99.025,113.275)

## Via types
v1: diameter 0.7, hole 0.4, Top Layer to Bottom Layer, 89 vias

## Nets (pads, with @x,y where several pads share a name; then routed paths per layer and width w, separated by ;. In a path a pad name is that pad's centre, name@x,y a point inside that pad or via, vN(x,y) a via of type N, cw(c..) or ccw(c..) an arc to the next point about the centre after c; other vN are vias at no path point)
+3V3: C105.1 C108.2 C109.2 C111.1 C112.2 J103.9 P100.1 P101.2 P102.2 R104.1 R114.2 R115.2 U101.19 U101.20 | length 89.1
  Top Layer w0.3: v1(104.625,78.05) 111.375,78.05 112.55,76.875 v1(112.55,75.65) ; R104.1 v1(116.85,77.7) ; v1(121.025,73.15) 122.65,74.775 P102.2 125.25,76 C109.2 126.875,82.175 125.65,83.4 123.125,83.4 122.275,84.25 122.275,86.625 122.925,87.275 P101.2 125.475,87.275 126.094,87.894 126.669,87.894 C108.2 ; R114.2 C108.2 ; C105.1 128.249,103.375 128.789,102.835 P100.1 130.65,101.21 130.65,98.92 J103.9 130.35,95.97 130.35,89.125 129.625,88.4 128.075,88.4 127.7,88.025 C108.2
  Bottom Layer w0.3: v1(104.625,78.05) 103,79.675 103,84.675 104,85.675 108.725,85.675 109.325,85.075 109.325,84.475 ; v1(112.55,75.65) 112.575,75.625 115.675,75.625 ; v1(116.85,77.7) 116.85,76.8 115.675,75.625 ; v1(121.025,73.15) 118.15,73.15 115.675,75.625 ; P101.2 124.05,87.3 125.875,87.3 R115.2
+5V: C102.2 C103.2 D100.1 D105.1 J103.10 R102.1 R103.1 U100.4 | length 90.2
  Top Layer w0.3: v1(103.175,77.875) 104,77.05 v1(110.85,77.05) ; U100.4@106.9,98.25 106.9,97.275 107.5,96.675 125.865,96.675 J103.10 ; U100.4 106.925,98.18 v1(106.925,101.2) 102.7,105.425 R102.1 101.65,105.45 101.65,109.55 102.8,110.7 106.275,110.7 106.765,110.21 106.765,110.175 107.19,109.75 D105.1 ; v1(115.9,78.575) 117.7,78.575 118.35,77.925 R103.1
  Bottom Layer w0.3: v1(103.175,77.875) 101.6,79.45 101.6,93.275 102.675,94.35 D100.1 103.874,94.624 104.449,94.624 106.925,97.1 C103.2@106.925,98.145 ; C103.2 106.925,99.65 C102.2 106.925,99.95 v1(106.925,101.2) ; v1(110.85,77.05) 114.375,77.05 v1(115.9,78.575)
+12V: C104.2 C107.1 C110.2 J100.1 J101.1 J102.1 R101.2 R108.2 U101.13 U101.14 U101.24 U102.3 U102.4 | length 13.8
  Top Layer w0.3: v1(116.525,80.125) 117.7,80.125 119.85,77.975 R101.2
  Bottom Layer w0.3: R108.2 108.675,76.025 111.826,79.176 111.826,79.601 U101.13 ; 114.1,80.325 114.346,80.079 116.479,80.079 v1(116.525,80.125)
AIN_1: U100.16 U101.21 | length 4.8
  Top Layer w0.3: v1(110.175,85.075) 110.283,85.075 110.737,84.621 U100.16
  Bottom Layer w0.3: v1(110.175,85.075) 110.283,85.075 110.533,84.825 111.125,84.825
AIN_2: U100.15 U101.22 | length 6.1
  Top Layer w0.3: v1(109.892,86.03) 113.586,86.03 U100.15
  Bottom Layer w0.3: v1(109.892,86.03) 109.969,85.954 110.252,85.954 110.255,85.95 110.375,85.95 110.825,85.5 U101.22
BAT_VOL: R108.1 R111.2 U100.33 | length 12
  Top Layer w0.3: v1@99.639,80.811 U100.33
  Bottom Layer w0.3: v1(99.625,80.825) 99.625,78.35 101.95,76.025 R111.2 R108.1
BIN_1: U100.17 U101.17 | length 5.6
  Top Layer w0.3: v1(110.275,82.15) 111.6,82.15 112.801,83.351 U100.17
  Bottom Layer w0.3: v1(110.275,82.15) 110.325,82.2 111.825,82.2 U101.17
BIN_2: U100.18 U101.16 | length 6.2
  Top Layer w0.3: v1(110.1,80.95) 111.425,80.95 112.556,82.081 U100.18
  Bottom Layer w0.3: v1(110.1,80.95) 110.1,80.989 110.686,81.575 111.85,81.575 U101.16
BUZZER: R105.1 U100.26 | length 19.7
  Top Layer w0.3: v1(99.475,89.7) U100.26 U100.26 ; R105.1 105.4,103.875 v1(106.55,102.725)
  Bottom Layer w0.3: v1(99.475,89.7) 99.475,95.65 v1(106.55,102.725)
D_N: J104.A7 J104.B7 R112.1 | length 8.4
  Top Layer w0.3: R112.1 110.461,104.354 110.674,104.354 110.764,104.444 110.832,104.444 113.525,107.137 113.525,108.999 113.467,109.057 113.467,109.283 J104.A7
  Bottom Layer w0.2: J104.A7 113.4,109.775 114.25,110.625 J104.B7
D_P: J104.A6 J104.B6 R110.1 | length 8.9
  Top Layer w0.2: J104.B6 113.454,110.646 113.454,110.271 114.164,109.561 114.164,109.436 J104.A6
  Top Layer w0.3: R110.1 111.154,103.636 111.154,103.849 111.244,103.939 111.244,104.007 114.125,106.888 114.125,108.999 114.183,109.057 114.183,109.283 J104.A6
DBG_LED: R106.1 U100.22 | length 1.8
  Top Layer w0.3: U100.22 114.051,76.675 R106.1
ESC_PWM: P100.3 U100.11 | length 26.3
  Top Layer w0.3: U100.11 114.075,91.321 119.088,91.321 119.342,91.575 v1(119.45,91.575)
  Bottom Layer w0.3: v1(119.45,91.575) 119.5,91.575 126.6,98.675 126.6,105.49 P100.3
GND: C100.1 C101.1 C102.1 C103.1 C104.1 C105.2 C106.2 C107.2 C108.1 C109.1 C110.1 C111.2 C112.1 D101.2 D102.1 D103.1 D104.1 D106.1 J102.2 J103.1 J104.A1 J104.A12 J104.B1 J104.B12 P100.2 P101.5 P102.5 Q100.1 Q100.2 Q100.3 Q101.2 R107.2 R109.1 R111.1 R113.2 S100.1 S100.2 U100.2 U100.37 U101.3 U101.4 U101.9 U101.10 U101.18 U102.2 | length 5.5
  Bottom Layer w0.3: C111.2 109.375,82.2 109.525,82.35 109.525,82.55 109.875,82.9 U101.18 ; C107.2 115.325,88.6 115.475,88.75 117.11,88.75 C110.1
  other v1: 101.65,71.25 127.975,71.325 125.475,74.15 130.75,74.3 98.1,74.45 107.15,74.45 103.45,74.9 109.5,75 111,75 122.55,75.675 102.65,76.95 109.025,79.6 127.8,80.8 124,82.375 104.25,82.5 124,84.35 106.25,84.85 108.2,84.85 116.25,85.5 102.6,85.525 121.125,86.2 130.975,86.675 106.675,87 109.4,88.05 98.65,88.5 119.325,90.525 122.775,91.075 110.425,93.825 115.225,93.875 101.475,94.925 102,96 105.675,96.9 130.875,97.325 101.6,99.325 105.7,100.425 112.1,101.925 99,102 100.5,102 107.9,103.075 99.75,103.5 113,103.6 108.55,104.825 99,105 114.1,105 99.75,106.5 108.75,106.5 110.25,106.5 115.075,107.35 112.25,107.725 99,108 109.5,108 99.75,109.5 126.75,109.5 99,111 100.5,111 114.475,112.425 101.25,112.5 102.75,112.5 104.25,112.5 126.75,112.5 102,114 103.5,114 105,114 123,114 124.5,114 126,114 127.5,114
HALL_1_DATA_A: P101.4 U100.12 | length 10.5
  Top Layer w0.3: U100.12 121.326,89.701 121.9,90.275 P101.4
HALL_1_DATA_B: P101.3 U100.13 | length 10.4
  Top Layer w0.3: U100.13 113.994,88.7 123.95,88.7 P101.3
HALL_2_DATA_A: P102.4 U100.20 | length 13.1
  Top Layer w0.3: U100.20 114.075,79.891 114.416,79.891 114.95,80.425 114.95,80.925 115.725,81.7 118.85,81.7 122.775,77.775 P102.4
HALL_2_DATA_B: P102.3 U100.21 | length 14
  Top Layer w0.3: U100.21 114.075,78.621 114.646,78.621 115.55,79.525 115.55,80.525 116.075,81.05 118.15,81.05 122.833,76.367 123.933,76.367 P102.3
IO35: J103.8 U100.23 | length 29.2
  Top Layer w0.3: U100.23 101.485,93.511 101.835,93.861 101.835,93.961 103.849,95.975 127.805,95.975 J103.8
IO36: J103.6 U100.25 | length 31.8
  Top Layer w0.3: U100.25 101.698,91.284 102.209,91.284 105.525,94.6 125.15,94.6 127.175,92.575 127.175,91.525 J103.6
IO37: J103.7 U100.24 | length 30.2
  Top Layer w0.3: U100.24 101.735,92.591 102.066,92.591 104.775,95.3 125.94,95.3 J103.7
M1_IN: P101.1 U101.5 U101.6
M1_OUT: P101.6 U101.1 U101.2
M2_IN: P102.1 U101.11 U101.12
M2_OUT: P102.6 U101.7 U101.8
NetC100_2: C100.2 C101.2 D100.2 L100.2 U102.1
NetC106_1: C106.1 J104.1 J104.2 J104.3 J104.4 R113.1 | length 18.8
  Top Layer w0.3: J104.3 119.635,113.71 C106.1 119.65,112.35 119.95,112.05 R113.1
  Bottom Layer w0.3: J104.2 J104.4 J104.3 J104.1
NetD101_1: D101.1 L100.1 U102.5
NetD102_2: D102.2 R101.1 | length 1.5
  Top Layer w0.3: D102.2 R101.1
NetD103_2: D103.2 R103.2 | length 1.5
  Top Layer w0.3: D103.2 R103.2
NetD104_2: D104.2 R104.2 | length 1.5
  Top Layer w0.3: D104.2 R104.2
NetD105_2: D105.2 J104.A4 J104.A9 J104.B4 J104.B9 | length 13.5
  Top Layer w0.3: D105.2 107.65,112.425 110.817,112.425 111.7,111.542 ; J104.B4 111.7,111.542 ; J104.B9 115.95,111.2 115.608,111.542 111.7,111.542
  Bottom Layer w0.3: J104.A9 J104.B4 ; J104.A4 J104.B9
NetD106_2: D106.2 R106.2 | length 1.5
  Top Layer w0.3: D106.2 R106.2
NetJ100_2: J100.2 Q100.4 | length 5
  Bottom Layer w0.3: Q100.4 113.325,102.825 114.375,103.875 J100.2
NetJ101_2: J101.2 Q100.5 Q100.6 Q100.7 Q100.8
NetJ104_A5: J104.A5 R107.1 | length 2.1
  Bottom Layer w0.3: J104.A5 115.1,108.758 115.731,108.127 115.927,108.127 116.077,107.977 R107.1
NetJ104_B5: J104.B5 R109.2 | length 1.4
  Bottom Layer w0.3: R109.2 112.55,111.875 J104.B5
NetLS100_1: LS100.1 R102.2 | length 2.7
  Top Layer w0.3: R102.2 101.649,104.025 101.799,103.875 101.799,103.451 LS100.1
NetLS100_2: LS100.2 Q101.3 | length 3.1
  Top Layer w0.3: LS100.2 104.5,107.75 104.5,106.85 104.75,106.6 Q101.3
NetQ101_1: Q101.1 R105.2 | length 1.6
  Top Layer w0.3: R105.2 Q101.1
NetR100_1: R100.1 S100.3 S100.4 | length 3.8
  Top Layer w0.3: R100.1 99.005,98.67 99.005,97.405 S100.3 S100.4
NetR100_2: R100.2 U100.3 | length 8.3
  Top Layer w0.3: R100.2 100.4,99.725 101.2,100.525 104.5,100.525 105.551,99.474 105.551,98.274 U100.3
PWM_A: U100.14 U101.23 | length 5.7
  Top Layer w0.3: v1(110.15,87.1) 113.664,87.1 U100.14
  Bottom Layer w0.3: v1(110.15,87.1) 111.05,86.2 111.825,86.2 U101.23
PWM_B: U100.19 U101.15 | length 6.9
  Top Layer w0.3: v1(110.5,79) 112.311,80.811 U100.19
  Bottom Layer w0.3: v1(110.5,79) 110.5,80.345 111.055,80.9 111.825,80.9 U101.15
RX: J103.2 U100.31 | length 48.3
  Top Layer w0.3: v1(99.625,83.3) 101.334,83.3 U100.31
  Bottom Layer w0.3: v1(99.625,83.3) 98.025,81.7 98.025,77.4 102.575,72.85 116.125,72.85 117.375,71.6 125.225,71.6 127.175,73.55 127.175,79.125 127.565,79.515 J103.2
SCL: J103.5 R115.1 U100.27 | length 66.6
  Top Layer w0.3: v1(98.1,76.325) 98.1,86.25 100.281,88.431 U100.27
  Bottom Layer w0.3: v1(98.1,76.325) 102.5,71.925 115.725,71.925 116.725,70.925 125.35,70.925 130.825,76.4 130.825,85.335 127.435,88.725 R115.1
SDA: J103.4 R114.1 U100.28 | length 59.8
  Top Layer w0.3: U100.28 100.361,87.161 98.825,85.625 98.825,77.6 105.425,71 126.025,71 130.625,75.6 130.625,82.995 J103.4 128.869,84.595 128.239,85.225 R114.1
TX: J103.3 U100.32 | length 47.4
  Top Layer w0.3: v1(99.625,82.075) 101.379,82.075 U100.32
  Bottom Layer w0.3: v1(99.625,82.075) 98.75,81.2 98.75,78.025 103.225,73.55 116.5,73.55 117.8,72.25 124.95,72.25 126.475,73.775 126.475,81.375 127.155,82.055 J103.3
USB_D_N: R112.2 U100.5 | length 5.9
  Top Layer w0.3: U100.5 108.525,98.51 108.525,102.137 109.381,102.993 109.381,103.061 109.471,103.151 109.471,103.364 R112.2
USB_D_P: R110.2 U100.6 | length 5.4
  Top Layer w0.3: U100.6 109.125,98.51 109.125,101.888 109.793,102.556 109.861,102.556 109.951,102.646 110.164,102.646 R110.2
pads on no net: J104.A8 J104.B8 U100.1 U100.7 U100.8 U100.9 U100.10 U100.29 U100.30 U100.34 U100.35 U100.36

## Polygon pours and split planes (outlines as drawn)
GND on Bottom Layer "NONET_L01_P-001" (solid, remove dead copper, pour order 16): 96.55,115.913 132.75,115.913 132.75,69.475 96.55,69.475
GND on Bottom Layer "Main" (solid, remove dead copper, pour order 18): 104.978,86.032 109.116,86.032 109.725,86.641 109.725,92.5 110.004,92.779 110.004,95.454 108.896,95.454 108.954,95.396 108.954,88.766 108.234,88.046 106.709,88.046 104.978,86.315
+3V3 on Bottom Layer "Main" (solid, remove dead copper, pour order 5): 109,84.475 108.7,84.175 105.775,84.175 105.775,81.825 108.3,81.825 108.3,82.575 109.025,83.3 112.725,83.3 112.725,84.475
NetD101_1 on Bottom Layer "Main" (solid, remove dead copper, pour order 6): 108.15,88.25 108.75,88.85 108.75,90.175 102.775,90.175 102.775,87.5 102.775,86.25 104.625,86.25 106.625,88.25
+12V on Bottom Layer "Main" (solid, remove dead copper, pour order 4): 111.125,79.4 113.9,79.4 114.55,80.05 114.55,89.05 116.3,90.8 118.6,90.8 118.6,91.55 125.925,98.875 125.925,106.525 120.1,106.525 118.075,104.5 118.075,102.625 119.9,100.8 119.9,98.125 114.35,92.575 110.95,92.575 109.8,92.575 109.8,88.775 110.975,87.6 110.975,86.5 112.725,86.5 112.725,80.575 111.125,80.575
NetJ101_2 on Bottom Layer "Main" (solid, remove dead copper, pour order 9): 114.325,102.325 117.725,102.325 119.425,100.625 119.425,98.175 118.475,97.225 114.325,97.225
NetC100_2 on Bottom Layer "Main" (solid, remove dead copper, pour order 7): 108.65,91.2 108.65,95.25 106,95.25 106,94 105.2,93.2 102.725,93.2 102.725,91.2
M1_OUT on Bottom Layer "Main" (solid, remove dead copper, pour order 3): 117.925,85.9 119.65,85.9 121.5,87.75 121.5,90.925 123.175,92.6 124.725,92.6 124.725,94.025 122.775,94.025 120.35,91.6 120.35,88.375 119.1,87.125 117.925,87.125
M1_IN on Bottom Layer "Main" (solid, remove dead copper, pour order 2): 117.925,83.35 120.9,83.35 122.65,85.1 124.725,85.1 124.725,86.425 122.425,86.425 120.475,84.475 117.925,84.475
M2_OUT on Bottom Layer "Main" (solid, remove dead copper, pour order 1): 124.725,81.475 122.55,81.475 120.9,83.125 117.925,83.125 117.925,82.025 120.275,82.025 122.175,80.125 124.725,80.125
M2_IN on Bottom Layer "Main" (solid, remove dead copper, pour order 0): 117.925,80.525 117.925,77.35 122.65,72.625 124.725,72.625 124.725,73.975 123.3,73.975 119.575,77.7 119.575,80.525
GND on Top Layer "NONET_L01_P-001" (solid, remove dead copper, pour order 14): 96.55,115.913 132.75,115.913 132.75,69.475 96.55,69.475
GND on Top Layer "Main" (solid, remove dead copper, pour order 12): 105.575,79.05 109.525,79.05 109.525,85.5 104.675,85.5 104.675,79.95
NetJ101_2 on Top Layer "Main" (solid, remove dead copper, pour order 11): 114.325,102.325 117.725,102.325 119.425,100.625 119.425,98.175 118.475,97.225 114.325,97.225
+12V on Top Layer "Main" (solid, remove dead copper, pour order 8): 118.125,102.575 119.975,100.725 119.975,97.8 124.55,97.8 125.75,99 125.75,106.525 120.05,106.525 118.125,104.6
GND on Top Inner Layer "NONET_L01_P-001" (solid, remove dead copper, pour order 13): 96.55,115.913 132.75,115.913 132.75,69.475 96.55,69.475
GND on Bottom Inner Layer "NONET_L01_P-001" (solid, remove dead copper, pour order 15): 96.55,115.913 132.75,115.913 132.75,69.475 96.55,69.475

## Other copper
Top Layer:
  pour cut-out: 112.7,98.975 114.125,98.975 114.125,97.056 112.7,97.056
  pour cut-out: 109.189,104.354 109.471,104.636 111.436,102.671 111.436,102.646 111.154,102.364
  pour cut-out: 122.525,75.075 123,75.075 123,75.843 122.418,76.425 112.907,76.425 112.907,75.293 115.025,73.175 120.625,73.175
  pour cut-out: 109.525,84.58 109.72,84.775 110.175,84.775 110.175,78.549 110.026,78.4 109.525,78.4
Bottom Layer:
  pour cut-out: 101.9,86.05 102.571,86.05 102.571,90.175 102.775,90.379 108.95,90.379 108.95,91.05 102,91.05 101.9,90.95
  pour cut-out: 110.85,77.05 110.85,77.863 113.112,80.125 117.875,80.125 117.875,75.638 112.263,75.637

## Silkscreen, mask and mechanical layers (free items; w line width, h text height)
Top Overlay:
  lines w0.2: 116.825,93.6 116.825,95.425 ; 119.65,83.45 120.7,82.4 ; 119.75,87.45 121.125,87.45 ; 120.775,93.6 120.775,94.194 120.775,94.675 121.525,95.425 ; 126.375,111.4 126.75,111.4 ; 126.425,107.15 126.975,107.7 126.975,108.9
  text "ESC-" at 127.31,111.035 h0.8
  text "ESC+" at 127.31,109.735 h0.8
  text "SW" at 118.035,107.16 h0.8
  text "BAT-" at 115.085,92.235 h0.8
  text "BAT+" at 119.085,92.235 h0.8
  text "M1" at 118.085,86.91 h0.8
  text "M2" at 118.085,84.01 h0.8
  text "12V" at 119.41,78.935 h0.8
  text "3V" at 116.61,78.66 h0.8
  text "5V" at 117.985,77.36 h0.8
  text "D" at 114.86,77.285 h0.8
Bottom Overlay:
  lines w0.2: 99.85,98.9 100.675,99.725 ; 125.425,97.325 127.075,98.975 127.8,98.975 ; 126.238,102.063 126.65,102.475 126.65,104.175 127.175,104.7 ; 127.35,101.225 127.75,101.625
  text "PWM" at 127.065,107.31 h0.8
  text "GND" at 125.915,100.96 h0.8
  text "3V3" at 127.115,99.56 h0.8
  text "3V3" at 127.799,97.295 h0.8 r45
  text "5V" at 124.865,96.485 h0.8
  text "BUZ+" at 98.61,96.06 h0.8 r270
  text "35" at 127.799,94.755 h0.8 r45
  text "37" at 127.799,92.215 h0.8 r45
  text "36" at 127.415,89.66 h0.8
  text "SCL" at 127.799,86.635 h0.8 r45
  text "SDA" at 127.799,84.345 h0.8 r45
  text "TX" at 127.799,81.805 h0.8 r45
  text "RX" at 127.799,79.265 h0.8 r45
  text "GND" at 127.799,76.725 h0.8 r45
Mechanical 1:
  the board outline again, w0.254